# Altium PCB 3-as-manufactured.pcbdoc (part 12 of 12)
Units mil, origin at the board's own origin, x right, y up, seen from the top; angles counter-clockwise.
Board outline 2728 x 2217 mil, 8 copper layers (L1_TOP, L2_GND, L3_INNER1, L4_GND, L5_PWR, L6_INNER2, L7_GND, L8_BOT), stack 48.618 mil thick; 227 components, 321 nets, 1592 pads, 1187 vias.
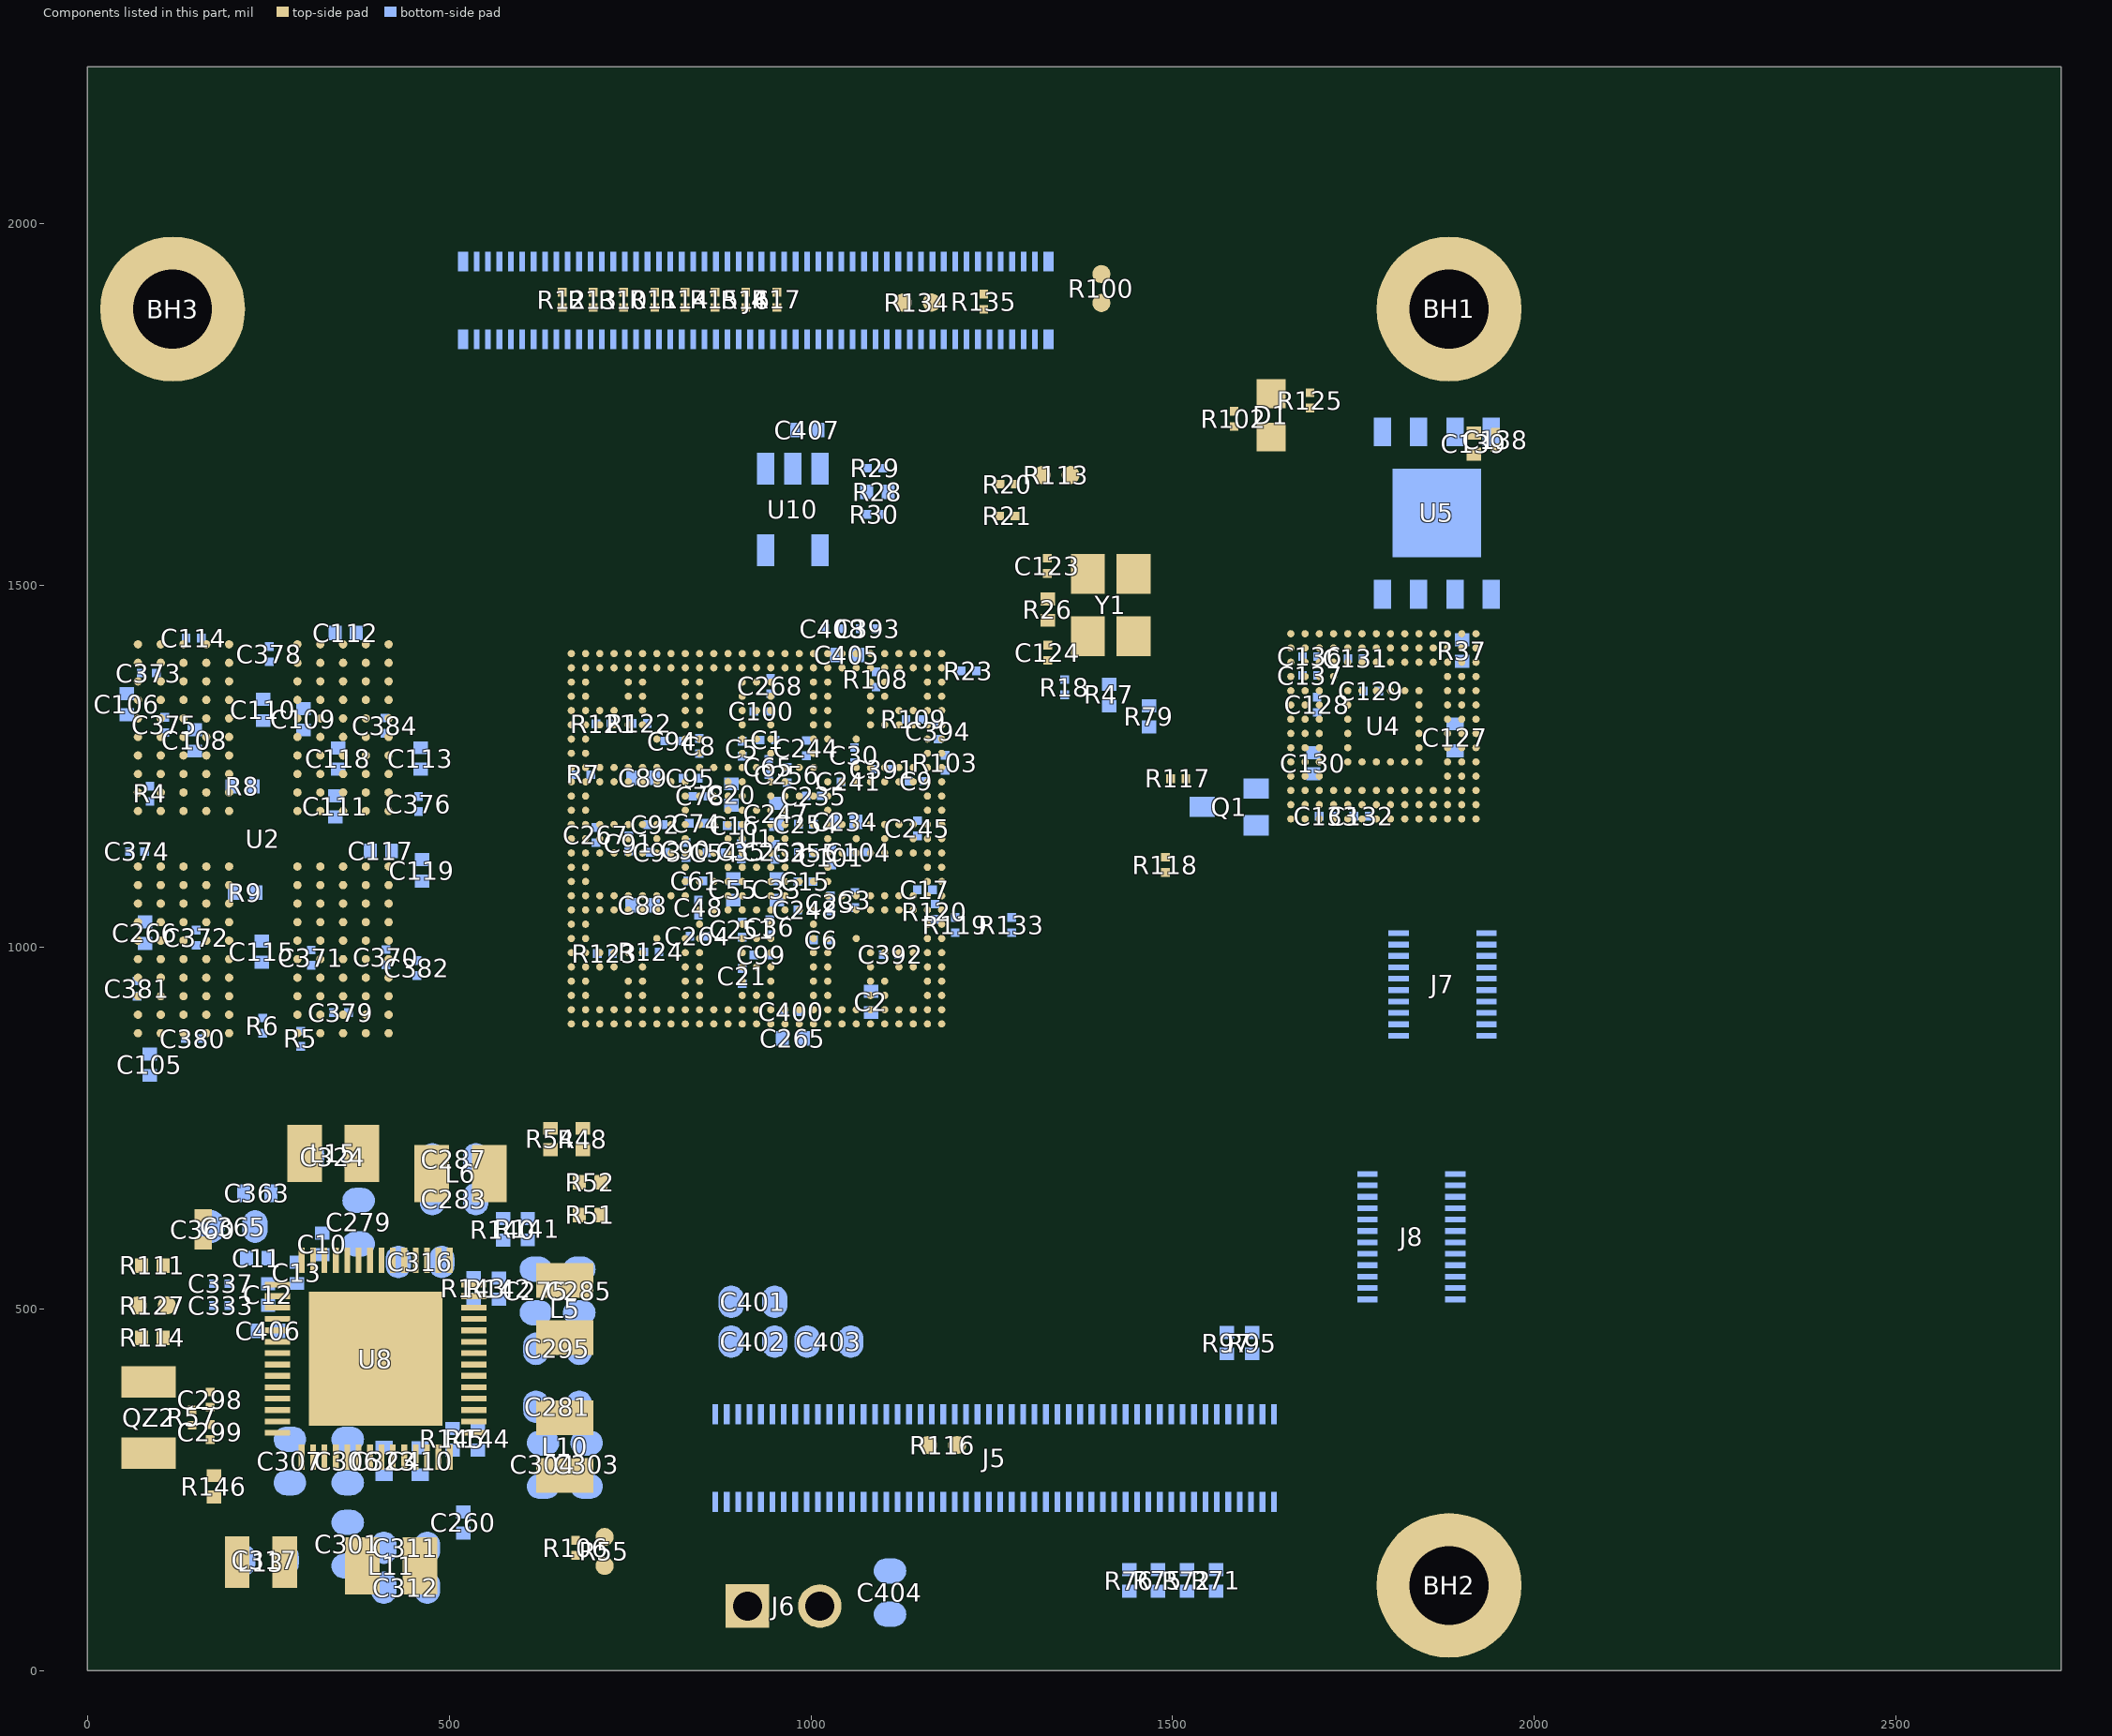
[diagram p18: the components of this part, seen from the top]

## Silkscreen, mask and mechanical layers (free items; w line width, h text height) (continued)
Fab Notes:
  drawing of 257 lines, arcs and shapes, not listed
  text "1. THIS DRAWING SPECIFIES THE REQUIREMENTS FOR A" at -10326.01,11281.66 h94
  text "PRINTED WIRING BOARD IN ACCORDANCE" at -6702,11278 h94
  text "WITH SPECIFICATION IPC-A-600 CLASS 2 (LATEST REVISION)." at -10316.01,11081.66 h94
  text "2. THE PWB MUST BE LEAD FREE ASSEMBLY PROCESS COMPATIBLE AND MUST BE ABLE TO HANDLE" at -10326.01,10681.66 h94
  text "A MINIMUM OF 5 CYCLES AT 260 DEGREES CELSIUS FOR 10 SECONDS." at -10226.01,10481.66 h94
  text "3. BASE MATERIAL - LAMINATE AND PREPREG SHALL MEET IPC-4101B-26, 83 or 98" at -10326.01,10081.66 h94
  text "Tg - MUST BE GREATER THAN OR EQUAL TO 150 DEGREES CELSIUS." at -8481.01,9881.66 h94
  text "Td - MUST BE GREATER THAN OR EQUAL TO 330 DEGREES CELSIUS." at -8481.01,9681.66 h94
  text "4. COPPER FOIL WEIGHT - SEE STACKUP DETAIL 'A'" at -10326.01,9281.66 h94
  text "5. CHARACTERISTIC IMPEDANCE - SEE DETAIL 'B'" at -10326.01,8881.66 h94
  text "8" at 11442.5,8484.67 h94
  text "6. MINIMUM CONDUCTIVE WIDTH/SPACING TO BE .002\"/.002\"" at -10326.01,8481.66 h94
  text "7. PLATING FINISH - BOTH SIDES ENIG (ELECTROLESS NICKEL IMMERSION GOLD):" at -10326.01,8081.66 h94
  text ".05080-.232 MICRON (2-8 MICROINCH) OF GOLD OVER" at -8506.01,7881.66 h94
  text "2.540-6.350 MICRON (100-250 MICROINCH) OF NICKEL." at -8761.01,7681.66 h94
  text "8. ALL THROUGH HOLE VIAS MAY BE PLATED SHUT." at -10326.01,7281.66 h94
  text "9. SOLDERMASK - LIGHT GREEN COLOR (TAIYO OR EQUIVALENT), BOTH SIDES." at -10326.01,6881.66 h94
  text "10. SILKSCREEN - WHITE EPOXY INK, BOTH SIDES.  NO SILK ON PADS." at -10320,6520 h94
  text "11. ELECTRICAL TEST - 100% FABRICATOR TO PERFORM A NET COMPARE AGAINST ODB++ NETLIST" at -10330,6169 h94
  text "12. PRINTED WIRING BOARD IS TO BE INDIVIDUALLY BAGGED." at -10338,5811 h94
  text "13. DRC'S MUST BE RUN ON THE GERBER/ODB++ BEFORE BUILDING BOARDS," at -10338,5460 h94
  text "14. TEARDROPS MAYBE ADDED AT THE FAB HOUSE TO ALL SIGNAL LAYERS." at -10345,5119 h94
  text "15. 2 SOLDER SAMPLES TO BE PROVIDED." at -10347,4785 h94
  text "16. BASIC GRID INCREMENT AT 1:1 IS .0001." at -10352.01,4389.66 h94
  text "17. SUPPLIER MARKINGS - ON SOLDER SIDE ONLY, WHERE SHOWN." at -10352.01,3989.66 h94
  text "18. THE PWB WILL BE MARKED AS LEAD FREE BY USE OF AN INK STAMP  Pb" at -10371.01,3650.66 h94
  text "19. THE PWB WILL BE MARKED AS LEAD FREE PROCESS COMPATIBLE BY USE OF AN INK STAMP  260 C" at -10372.01,3307.66 h94
  text "20. ALL PLATED AND NON-PLATED THROUGH HOLES ARE TO BE DRILLED AT PRIMARY DRILL STEP." at -10377,2997 h94
  text "ALL HOLE LOCATION TOLERANCES ARE TO BE +/-.002 IN REFERENCE TO THE PRIMARY DATUM." at -10107,2772 h94
  text "21. FINISHED PCB MAY BE PANELIZED FOR ASSEMBLY ACCORDING TO CONTRACT MANUFACTURERS REQUIREMENTS." at -10375.37,2373.79 h94
  text "THE ADDITION OF RAILS AND .125' NON-PLATED TOOLING HOLES ARE AT THE DISCRETION OF" at -10005.37,2173.79 h94
  text "CONTRACT MANUFACTURER.PANELIZATION MUST BE APPROVED BY CONTRACT MANUFACTURER." at -10005.37,1973.79 h94
  text "22. THIS BOARD USES VIA-IN-PAD:" at -10383.37,1622.79 h94
  text "A. VIA HOLES LESS THAN OR EQUAL TO 8MIL TO BE FILLED WITH NON-CONDUCTIVE VIA FILL:" at -9733.37,1422.79 h94
  text "SAN-EI PHP-900 OR EQUILVALENT EPOXY MADE PLANAR TO PADS." at -9363.37,1222.79 h94
  text "B. OVERPLATE THE FILLED VIA AND APPLY FINISH METAL TREATMENT." at -9733.37,1022.79 h94
  text "16" at -1345,-426 h94
  text "DETAIL B: IMPEDANCE REQUIREMENTS" at 37,-2155 h200
  text "DETAIL A: LAYERS STACKUP" at -10057,-2165 h200
  text "B" at -10042.61,-2428.64 h135.48
  text "o" at -9957.96,-2428.64 h135.48
  text "a" at -9873.32,-2428.64 h135.48
  text "r" at -9788.67,-2428.64 h135.48
  text "d" at -9704.02,-2428.64 h135.48
  text "L" at -9534.73,-2428.64 h135.48
  text "a" at -9450.09,-2428.64 h135.48
  text "y" at -9365.44,-2428.64 h135.48
  text "e" at -9280.8,-2428.64 h135.48
  text "r" at -9196.15,-2428.64 h135.48
  text "S" at -9026.86,-2428.64 h135.48
  text "t" at -8942.21,-2428.64 h135.48
  text "a" at -8857.57,-2428.64 h135.48
  text "c" at -8772.92,-2428.64 h135.48
  text "k" at -8688.28,-2428.64 h135.48
  text "(" at -8518.98,-2428.64 h135.48
  text "T" at -8434.34,-2428.64 h135.48
  text "h" at -8349.69,-2428.64 h135.48
  text "i" at -8265.05,-2428.64 h135.48
  text "c" at -8180.4,-2428.64 h135.48
  text "k" at -8095.76,-2428.64 h135.48
  text "n" at -8011.11,-2428.64 h135.48
  text "e" at -7926.46,-2428.64 h135.48
  text "s" at -7841.82,-2428.64 h135.48
  text "s" at -7757.17,-2428.64 h135.48
  text "a" at -7587.88,-2428.64 h135.48
  text "n" at -7503.24,-2428.64 h135.48
  text "d" at -7418.59,-2428.64 h135.48
  text "w" at -7249.3,-2428.64 h135.48
  text "i" at -7164.65,-2428.64 h135.48
  text "d" at -7080.01,-2428.64 h135.48
  text "t" at -6995.36,-2428.64 h135.48
  text "h" at -6910.72,-2428.64 h135.48
  text "i" at -6741.43,-2428.64 h135.48
  text "n" at -6656.78,-2428.64 h135.48
  text "m" at -6487.49,-2428.64 h135.48
  text "i" at -6402.84,-2428.64 h135.48
  text "l" at -6318.2,-2428.64 h135.48
  text "s" at -6233.55,-2428.64 h135.48
  text ")" at -6148.91,-2428.64 h135.48
  text "I" at 38.69,-2428.64 h135.48
  text "m" at 123.34,-2428.64 h135.48
  text "p" at 207.98,-2428.64 h135.48
  text "e" at 292.63,-2428.64 h135.48
  text "d" at 377.28,-2428.64 h135.48
  text "a" at 461.92,-2428.64 h135.48
  text "n" at 546.57,-2428.64 h135.48
  text "c" at 631.21,-2428.64 h135.48
  text "e" at 715.86,-2428.64 h135.48
  text "C" at 885.15,-2428.64 h135.48
  text "o" at 969.8,-2428.64 h135.48
  text "n" at 1054.44,-2428.64 h135.48
  text "t" at 1139.09,-2428.64 h135.48
  text "r" at 1223.73,-2428.64 h135.48
  text "o" at 1308.38,-2428.64 h135.48
  text "l" at 1393.02,-2428.64 h135.48
  text "l" at 1477.67,-2428.64 h135.48
  text "e" at 1562.32,-2428.64 h135.48
  text "d" at 1646.96,-2428.64 h135.48
  text "T" at 1816.25,-2428.64 h135.48
  text "r" at 1900.9,-2428.64 h135.48
  text "a" at 1985.54,-2428.64 h135.48
  text "c" at 2070.19,-2428.64 h135.48
  text "e" at 2154.83,-2428.64 h135.48
  text "w" at 2324.13,-2428.64 h135.48
  text "i" at 2408.77,-2428.64 h135.48
  text "d" at 2493.42,-2428.64 h135.48
  text "t" at 2578.06,-2428.64 h135.48
  text "h" at 2662.71,-2428.64 h135.48
  text "s" at 2747.35,-2428.64 h135.48
  text "T" at 2916.65,-2428.64 h135.48
  text "a" at 3001.29,-2428.64 h135.48
  text "b" at 3085.94,-2428.64 h135.48
  text "l" at 3170.58,-2428.64 h135.48
  text "e" at 3255.23,-2428.64 h135.48
  text "N" at -9949.5,-2602.16 h135.48
  text "u" at -9864.85,-2602.16 h135.48
  text "m" at -9780.2,-2602.16 h135.48
  text "b" at -9695.56,-2602.16 h135.48
  text "e" at -9610.91,-2602.16 h135.48
  text "r" at -9526.27,-2602.16 h135.48
  text "N" at -8870.26,-2602.16 h135.48
  text "a" at -8785.62,-2602.16 h135.48
  text "m" at -8700.97,-2602.16 h135.48
  text "e" at -8616.33,-2602.16 h135.48
  text "T" at -7528.63,-2602.16 h135.48
  text "y" at -7443.98,-2602.16 h135.48
  text "p" at -7359.34,-2602.16 h135.48
  text "e" at -7274.69,-2602.16 h135.48
  text "M" at -6364.75,-2602.16 h135.48
  text "a" at -6280.11,-2602.16 h135.48
  text "n" at -6195.46,-2602.16 h135.48
  text "u" at -6110.82,-2602.16 h135.48
  text "f" at -6026.17,-2602.16 h135.48
  text "a" at -5941.52,-2602.16 h135.48
  text "c" at -5856.88,-2602.16 h135.48
  text "t" at -5772.23,-2602.16 h135.48
  text "u" at -5687.59,-2602.16 h135.48
  text "r" at -5602.94,-2602.16 h135.48
  text "e" at -5518.3,-2602.16 h135.48
  text "r" at -5433.65,-2602.16 h135.48
  text "M" at -4468.69,-2602.16 h135.48
  text "a" at -4384.04,-2602.16 h135.48
  text "t" at -4299.4,-2602.16 h135.48
  text "e" at -4214.75,-2602.16 h135.48
  text "r" at -4130.11,-2602.16 h135.48
  text "i" at -4045.46,-2602.16 h135.48
  text "a" at -3960.81,-2602.16 h135.48
  text "l" at -3876.17,-2602.16 h135.48
  text "T" at -3224.4,-2602.16 h135.48
  text "h" at -3139.75,-2602.16 h135.48
  text "i" at -3055.11,-2602.16 h135.48
  text "c" at -2970.46,-2602.16 h135.48
  text "k" at -2885.82,-2602.16 h135.48
  text "n" at -2801.17,-2602.16 h135.48
  text "e" at -2716.52,-2602.16 h135.48
  text "s" at -2631.88,-2602.16 h135.48
  text "s" at -2547.23,-2602.16 h135.48
  text "(" at -2377.94,-2602.16 h135.48
  text "m" at -2293.3,-2602.16 h135.48
  text "i" at -2208.65,-2602.16 h135.48
  text "l" at -2124,-2602.16 h135.48
  text ")" at -2039.36,-2602.16 h135.48
  text "W" at -1827.74,-2602.16 h135.48
  text "e" at -1743.1,-2602.16 h135.48
  text "i" at -1658.45,-2602.16 h135.48
  text "g" at -1573.81,-2602.16 h135.48
  text "h" at -1489.16,-2602.16 h135.48
  text "t" at -1404.52,-2602.16 h135.48
  text "(" at -1235.22,-2602.16 h135.48
  text "o" at -1150.58,-2602.16 h135.48
  text "z" at -1065.93,-2602.16 h135.48
  text ")" at -981.29,-2602.16 h135.48
  text "D" at -693.49,-2602.16 h135.48
  text "k" at -608.85,-2602.16 h135.48
  text "D" at -278.73,-2602.16 h135.48
  text "f" at -194.08,-2602.16 h135.48
  text "5" at 246.07,-2602.16 h135.48
  text "0" at 330.72,-2602.16 h135.48
  text "Ω" at 415.37,-2602.16 h135.48
  text "S" at 584.66,-2602.16 h135.48
  text "E" at 669.3,-2602.16 h135.48
  text "(" at 838.59,-2602.16 h135.48
  text "±" at 923.24,-2602.16 h135.48
  text "2" at 1007.89,-2602.16 h135.48
  text "0" at 1092.53,-2602.16 h135.48
  text "%" at 1177.18,-2602.16 h135.48
  text ")" at 1261.82,-2602.16 h135.48
  text "8" at 1735.84,-2602.16 h135.48
  text "5" at 1820.48,-2602.16 h135.48
  text "Ω" at 1905.13,-2602.16 h135.48
  text "D" at 2074.42,-2602.16 h135.48
  text "i" at 2159.07,-2602.16 h135.48
  text "f" at 2243.71,-2602.16 h135.48
  text "f" at 2328.36,-2602.16 h135.48
  text "(" at 2497.65,-2602.16 h135.48
  text "1" at 2582.3,-2602.16 h135.48
  text "0" at 2666.94,-2602.16 h135.48
  text "%" at 2751.59,-2602.16 h135.48
  text ")" at 2836.23,-2602.16 h135.48
  text "9" at 3242.53,-2602.16 h135.48
  text "0" at 3327.18,-2602.16 h135.48
  text "Ω" at 3411.82,-2602.16 h135.48
  text "D" at 3581.11,-2602.16 h135.48
  text "i" at 3665.76,-2602.16 h135.48
  text "f" at 3750.41,-2602.16 h135.48
  text "f" at 3835.05,-2602.16 h135.48
  text "(" at 4004.34,-2602.16 h135.48
  text "1" at 4088.99,-2602.16 h135.48
  text "0" at 4173.63,-2602.16 h135.48
  text "%" at 4258.28,-2602.16 h135.48
  text ")" at 4342.93,-2602.16 h135.48
  text "9" at 4749.22,-2602.16 h135.48
  text "0" at 4833.87,-2602.16 h135.48
  text "Ω" at 4918.52,-2602.16 h135.48
  text "D" at 5087.81,-2602.16 h135.48
  text "i" at 5172.45,-2602.16 h135.48
  text "f" at 5257.1,-2602.16 h135.48
  text "f" at 5341.74,-2602.16 h135.48
  text "(" at 5511.04,-2602.16 h135.48
  text "1" at 5595.68,-2602.16 h135.48
  text "5" at 5680.33,-2602.16 h135.48
  text "%" at 5764.97,-2602.16 h135.48
  text ")" at 5849.62,-2602.16 h135.48
  text "1" at 6213.59,-2602.16 h135.48
  text "0" at 6298.24,-2602.16 h135.48
  text "0" at 6382.89,-2602.16 h135.48
  text "Ω" at 6467.53,-2602.16 h135.48
  text "D" at 6636.82,-2602.16 h135.48
  text "i" at 6721.47,-2602.16 h135.48
  text "f" at 6806.11,-2602.16 h135.48
  text "f" at 6890.76,-2602.16 h135.48
  text "(" at 7060.05,-2602.16 h135.48
  text "1" at 7144.7,-2602.16 h135.48
  text "0" at 7229.34,-2602.16 h135.48
  text "%" at 7313.99,-2602.16 h135.48
  text ")" at 7398.63,-2602.16 h135.48
  text "T" at -9166.52,-2775.68 h135.48
  text "o" at -9081.88,-2775.68 h135.48
  text "p" at -8997.23,-2775.68 h135.48
  text "O" at -8827.94,-2775.68 h135.48
  text "v" at -8743.3,-2775.68 h135.48
  text "e" at -8658.65,-2775.68 h135.48
  text "r" at -8574,-2775.68 h135.48
  text "l" at -8489.36,-2775.68 h135.48
  text "a" at -8404.71,-2775.68 h135.48
  text "y" at -8320.07,-2775.68 h135.48
  text "O" at -7655.6,-2775.68 h135.48
  text "v" at -7570.95,-2775.68 h135.48
  text "e" at -7486.31,-2775.68 h135.48
  text "r" at -7401.66,-2775.68 h135.48
  text "l" at -7317.02,-2775.68 h135.48
  text "a" at -7232.37,-2775.68 h135.48
  text "y" at -7147.72,-2775.68 h135.48
  text "W" at -4595.66,-2775.68 h135.48
  text "h" at -4511.01,-2775.68 h135.48
  text "i" at -4426.37,-2775.68 h135.48
  text "t" at -4341.72,-2775.68 h135.48
  text "e" at -4257.07,-2775.68 h135.48
  text "E" at -4087.78,-2775.68 h135.48
  text "p" at -4003.14,-2775.68 h135.48
  text "o" at -3918.49,-2775.68 h135.48
  text "x" at -3833.85,-2775.68 h135.48
  text "y" at -3749.2,-2775.68 h135.48
  text "W" at 584.66,-2775.68 h135.48
  text "i" at 669.3,-2775.68 h135.48
  text "d" at 753.95,-2775.68 h135.48
  text "t" at 838.59,-2775.68 h135.48
  text "h" at 923.24,-2775.68 h135.48
  text "W" at 1740.07,-2775.68 h135.48
  text "i" at 1824.72,-2775.68 h135.48
  text "d" at 1909.36,-2775.68 h135.48
  text "t" at 1994.01,-2775.68 h135.48
  text "h" at 2078.65,-2775.68 h135.48
  text "G" at 2578.06,-2775.68 h135.48
  text "a" at 2662.71,-2775.68 h135.48
  text "p" at 2747.35,-2775.68 h135.48
  text "W" at 3246.76,-2775.68 h135.48
  text "i" at 3331.41,-2775.68 h135.48
  text "d" at 3416.06,-2775.68 h135.48
  text "t" at 3500.7,-2775.68 h135.48
  text "h" at 3585.35,-2775.68 h135.48
  text "G" at 4084.76,-2775.68 h135.48
  text "a" at 4169.4,-2775.68 h135.48
  text "p" at 4254.05,-2775.68 h135.48
  text "W" at 4753.46,-2775.68 h135.48
  text "i" at 4838.1,-2775.68 h135.48
  text "d" at 4922.75,-2775.68 h135.48
  text "t" at 5007.39,-2775.68 h135.48
  text "h" at 5092.04,-2775.68 h135.48
  text "G" at 5591.45,-2775.68 h135.48
  text "a" at 5676.09,-2775.68 h135.48
  text "p" at 5760.74,-2775.68 h135.48
  text "W" at 6260.15,-2775.68 h135.48
  text "i" at 6344.8,-2775.68 h135.48
  text "d" at 6429.44,-2775.68 h135.48
  text "t" at 6514.09,-2775.68 h135.48
  text "h" at 6598.73,-2775.68 h135.48
  text "G" at 7098.14,-2775.68 h135.48
  text "a" at 7182.79,-2775.68 h135.48
  text "p" at 7267.43,-2775.68 h135.48
  text "T" at -9124.2,-2949.21 h135.48
  text "o" at -9039.56,-2949.21 h135.48
  text "p" at -8954.91,-2949.21 h135.48
  text "S" at -8785.62,-2949.21 h135.48
  text "o" at -8700.97,-2949.21 h135.48
  text "l" at -8616.33,-2949.21 h135.48
  text "d" at -8531.68,-2949.21 h135.48
  text "e" at -8447.04,-2949.21 h135.48
  text "r" at -8362.39,-2949.21 h135.48
  text "S" at -7824.89,-2949.21 h135.48
  text "o" at -7740.24,-2949.21 h135.48
  text "l" at -7655.6,-2949.21 h135.48
  text "d" at -7570.95,-2949.21 h135.48
  text "e" at -7486.31,-2949.21 h135.48
  text "r" at -7401.66,-2949.21 h135.48
  text "M" at -7232.37,-2949.21 h135.48
  text "a" at -7147.72,-2949.21 h135.48
  text "s" at -7063.08,-2949.21 h135.48
  text "k" at -6978.43,-2949.21 h135.48
  text "T" at -6364.75,-2949.21 h135.48
  text "a" at -6280.11,-2949.21 h135.48
  text "i" at -6195.46,-2949.21 h135.48
  text "y" at -6110.82,-2949.21 h135.48
  text "o" at -6026.17,-2949.21 h135.48
  text "o" at -5856.88,-2949.21 h135.48
  text "r" at -5772.23,-2949.21 h135.48
  text "E" at -5602.94,-2949.21 h135.48
  text "q" at -5518.3,-2949.21 h135.48
  text "." at -5433.65,-2949.21 h135.48
  text "S" at -4595.66,-2949.21 h135.48
  text "o" at -4511.01,-2949.21 h135.48
  text "l" at -4426.37,-2949.21 h135.48
  text "d" at -4341.72,-2949.21 h135.48
  text "e" at -4257.07,-2949.21 h135.48
  text "r" at -4172.43,-2949.21 h135.48
  text "M" at -4003.14,-2949.21 h135.48
  text "a" at -3918.49,-2949.21 h135.48
  text "s" at -3833.85,-2949.21 h135.48
  text "k" at -3749.2,-2949.21 h135.48
  text "0" at -2716.52,-2949.21 h135.48
  text "." at -2631.88,-2949.21 h135.48
  text "6" at -2547.23,-2949.21 h135.48
  text "4" at -735.82,-2949.21 h135.48
  text "." at -651.17,-2949.21 h135.48
  text "2" at -566.52,-2949.21 h135.48
  text "0" at -236.41,-2949.21 h135.48
  text "1" at -9526.27,-3122.73 h135.48
  text "L" at -8954.91,-3122.73 h135.48
  text "1" at -8870.26,-3122.73 h135.48
  text "_" at -8785.62,-3122.73 h135.48
  text "T" at -8700.97,-3122.73 h135.48
  text "O" at -8616.33,-3122.73 h135.48
  text "P" at -8531.68,-3122.73 h135.48
  text "S" at -7613.28,-3122.73 h135.48
  text "i" at -7528.63,-3122.73 h135.48
  text "g" at -7443.98,-3122.73 h135.48
  text "n" at -7359.34,-3122.73 h135.48
  text "a" at -7274.69,-3122.73 h135.48
  text "l" at -7190.05,-3122.73 h135.48
  text "0" at -2801.17,-3122.73 h135.48
  text "." at -2716.52,-3122.73 h135.48
  text "6" at -2631.88,-3122.73 h135.48
  text "8" at -2547.23,-3122.73 h135.48
  text "9" at -2462.59,-3122.73 h135.48
  text "0" at -1489.16,-3122.73 h135.48
  text "." at -1404.52,-3122.73 h135.48
  text "5" at -1319.87,-3122.73 h135.48
  text "2" at 669.3,-3122.73 h135.48
  text "." at 753.95,-3122.73 h135.48
  text "2" at 838.59,-3122.73 h135.48
  text "2" at 1824.72,-3122.73 h135.48
  text "." at 1909.36,-3122.73 h135.48
  text "5" at 1994.01,-3122.73 h135.48
  text "2" at 2662.71,-3122.73 h135.48
  text "2" at 3331.41,-3122.73 h135.48
  text "." at 3416.06,-3122.73 h135.48
  text "5" at 3500.7,-3122.73 h135.48
  text "2" at 4084.76,-3122.73 h135.48
  text "." at 4169.4,-3122.73 h135.48
  text "5" at 4254.05,-3122.73 h135.48
  text "2" at 4838.1,-3122.73 h135.48
  text "." at 4922.75,-3122.73 h135.48
  text "3" at 5007.39,-3122.73 h135.48
  text "2" at 5591.45,-3122.73 h135.48
  text "." at 5676.09,-3122.73 h135.48
  text "5" at 5760.74,-3122.73 h135.48
  text "2" at 6344.8,-3122.73 h135.48
  text "." at 6429.44,-3122.73 h135.48
  text "1" at 6514.09,-3122.73 h135.48
  text "3" at 7182.79,-3122.73 h135.48
  text "D" at -9208.85,-3296.26 h135.48
  text "i" at -9124.2,-3296.26 h135.48
  text "e" at -9039.56,-3296.26 h135.48
  text "l" at -8954.91,-3296.26 h135.48
  text "e" at -8870.26,-3296.26 h135.48
  text "c" at -8785.62,-3296.26 h135.48
  text "t" at -8700.97,-3296.26 h135.48
  text "r" at -8616.33,-3296.26 h135.48
  text "i" at -8531.68,-3296.26 h135.48
  text "c" at -8447.04,-3296.26 h135.48
  text "1" at -8277.74,-3296.26 h135.48
  text "P" at -7655.6,-3296.26 h135.48
  text "r" at -7570.95,-3296.26 h135.48
  text "e" at -7486.31,-3296.26 h135.48
  text "p" at -7401.66,-3296.26 h135.48
  text "r" at -7317.02,-3296.26 h135.48
  text "e" at -7232.37,-3296.26 h135.48
  text "g" at -7147.72,-3296.26 h135.48
  text "V" at -6110.82,-3296.26 h135.48
  text "e" at -6026.17,-3296.26 h135.48
  text "n" at -5941.52,-3296.26 h135.48
  text "t" at -5856.88,-3296.26 h135.48
  text "e" at -5772.23,-3296.26 h135.48
  text "c" at -5687.59,-3296.26 h135.48
  text "V" at -4637.98,-3296.26 h135.48
  text "T" at -4553.33,-3296.26 h135.48
  text "4" at -4468.69,-3296.26 h135.48
  text "7" at -4384.04,-3296.26 h135.48
  text "_" at -4299.4,-3296.26 h135.48
  text "1" at -4214.75,-3296.26 h135.48
  text "." at -4130.11,-3296.26 h135.48
  text "9" at -4045.46,-3296.26 h135.48
  text "_" at -3960.81,-3296.26 h135.48
  text "1" at -3876.17,-3296.26 h135.48
  text "0" at -3791.52,-3296.26 h135.48
  text "6" at -3706.88,-3296.26 h135.48
  text "1" at -2758.85,-3296.26 h135.48
  text "." at -2674.2,-3296.26 h135.48
  text "7" at -2589.56,-3296.26 h135.48
  text "6" at -2504.91,-3296.26 h135.48
  text "3" at -735.82,-3296.26 h135.48
  text "." at -651.17,-3296.26 h135.48
  text "5" at -566.52,-3296.26 h135.48
  text "0" at -363.37,-3296.26 h135.48
  text "." at -278.73,-3296.26 h135.48
  text "0" at -194.08,-3296.26 h135.48
  text "2" at -109.44,-3296.26 h135.48
  text "2" at -9526.27,-3469.78 h135.48
  text "L" at -8954.91,-3469.78 h135.48
  text "2" at -8870.26,-3469.78 h135.48
  text "_" at -8785.62,-3469.78 h135.48
  text "G" at -8700.97,-3469.78 h135.48
  text "N" at -8616.33,-3469.78 h135.48

## Text inside footprints (layer, text, board x,y; h text height)
U1: Top Overlay "27" at 1176.86,1437.3 h20; Top Overlay "1" at 646.97,1432.53 h20; Top Overlay "AG" at 594.18,882.18 h20; Top Overlay "A" at 621.74,1401.87 h20; Top Assembly "AG" at 625.68,890.06 h9.84; Top Assembly "AF" at 625.68,909.74 h9.84; Top Assembly "AE" at 625.68,929.43 h9.84; Top Assembly "AD" at 625.68,949.11 h9.84; Top Assembly "AC" at 625.68,968.8 h9.84; Top Assembly "AB" at 625.68,988.48 h9.84; Top Assembly "AA" at 625.68,1008.17 h9.84; Top Assembly "Y" at 625.68,1027.85 h9.84; Top Assembly "W" at 625.68,1047.54 h9.84; Top Assembly "V" at 625.68,1067.22 h9.84; Top Assembly "U" at 625.68,1086.91 h9.84; Top Assembly "T" at 625.68,1106.59 h9.84; Top Assembly "R" at 625.68,1126.28 h9.84; Top Assembly "P" at 625.68,1145.96 h9.84; Top Assembly "N" at 625.68,1165.65 h9.84; Top Assembly "M" at 625.68,1185.33 h9.84; Top Assembly "L" at 625.68,1205.02 h9.84; Top Assembly "K" at 625.68,1224.7 h9.84; Top Assembly "J" at 625.68,1244.39 h9.84; Top Assembly "H" at 625.68,1264.07 h9.84; Top Assembly "G" at 625.68,1283.76 h9.84; Top Assembly "F" at 625.68,1303.44 h9.84; Top Assembly "E" at 625.68,1323.13 h9.84; Top Assembly "D" at 625.68,1342.81 h9.84; Top Assembly "C" at 625.68,1362.5 h9.84; Top Assembly "B" at 625.68,1382.18 h9.84; Top Assembly "27" at 1179.3,1431.13 h9.84; Top Assembly "26" at 1159.61,1431.13 h9.84; Top Assembly "25" at 1139.93,1431.13 h9.84; Top Assembly "24" at 1120.24,1431.13 h9.84; Top Assembly "23" at 1100.56,1431.13 h9.84; Top Assembly "22" at 1080.87,1431.13 h9.84; Top Assembly "21" at 1061.19,1431.13 h9.84; Top Assembly "20" at 1041.5,1431.13 h9.84; Top Assembly "19" at 1021.82,1431.13 h9.84; Top Assembly "18" at 1002.13,1431.13 h9.84; Top Assembly "17" at 982.45,1431.13 h9.84; Top Assembly "16" at 962.76,1431.13 h9.84; Top Assembly "15" at 943.08,1431.13 h9.84; Top Assembly "14" at 923.39,1431.13 h9.84; Top Assembly "13" at 899.77,1431.13 h9.84; Top Assembly "12" at 884.02,1431.13 h9.84; Top Assembly "11" at 864.34,1431.13 h9.84; Top Assembly "10" at 844.65,1431.13 h9.84; Top Assembly "9" at 821.03,1435.06 h9.84; Top Assembly "8" at 801.35,1435.06 h9.84; Top Assembly "7" at 781.66,1435.06 h9.84; Top Assembly "6" at 761.98,1435.06 h9.84; Top Assembly "5" at 742.29,1435.06 h9.84; Top Assembly "4" at 722.61,1435.06 h9.84; Top Assembly "3" at 702.92,1435.06 h9.84; Top Assembly "2" at 683.24,1435.06 h9.84; Top Assembly "1" at 663.55,1435.06 h9.84; Top Assembly "A" at 625.68,1401.87 h9.84; Top Pin Number "F6" at 759.54,1307.38 h9.84; Top Pin Number "J5" at 739.86,1248.32 h9.84; Top Pin Number "K5" at 739.86,1228.64 h9.84; Top Pin Number "N6" at 759.54,1169.58 h9.84; Top Pin Number "M1" at 661.11,1189.27 h9.84; Top Pin Number "M2" at 680.8,1189.27 h9.84; Top Pin Number "N1" at 661.11,1169.58 h9.84; Top Pin Number "R6" at 759.54,1130.22 h9.84; Top Pin Number "T1" at 661.11,1110.53 h9.84; Top Pin Number "T2" at 680.8,1110.53 h9.84; Top Pin Number "V5" at 739.86,1071.16 h9.84; Top Pin Number "W5" at 739.86,1051.48 h9.84; Top Pin Number "AB6" at 755.6,992.42 h9.84; Top Pin Number "R2" at 680.8,1130.22 h9.84; Top Pin Number "A24" at 1109.93,1405.81 h9.84; Top Pin Number "T16" at 952.45,1110.53 h9.84; Top Pin Number "T12" at 873.71,1110.53 h9.84; Top Pin Number "M16" at 952.45,1189.27 h9.84; Top Pin Number "M12" at 873.71,1189.27 h9.84; Top Pin Number "AA19" at 1007.57,1012.1 h9.84; Top Pin Number "AA18" at 987.89,1012.1 h9.84; Top Pin Number "AA15" at 928.83,1012.1 h9.84; Top Pin Number "AA13" at 889.47,1012.1 h9.84; Top Pin Number "AA10" at 830.41,1012.1 h9.84; Top Pin Number "AA9" at 814.66,1012.1 h9.84; Top Pin Number "Y18" at 991.82,1031.79 h9.84; Top Pin Number "Y13" at 893.4,1031.79 h9.84; Top Pin Number "W21" at 1050.88,1051.48 h9.84; Top Pin Number "W7" at 779.22,1051.48 h9.84; Top Pin Number "V21" at 1050.88,1071.16 h9.84; Top Pin Number "V7" at 779.22,1071.16 h9.84; Top Pin Number "R21" at 1050.88,1130.22 h9.84; Top Pin Number "R20" at 1031.19,1130.22 h9.84; Top Pin Number "R7" at 779.22,1130.22 h9.84; Top Pin Number "P21" at 1050.88,1149.9 h9.84; Top Pin Number "N21" at 1050.88,1169.58 h9.84; Top Pin Number "N7" at 779.22,1169.58 h9.84; Top Pin Number "K21" at 1050.88,1228.64 h9.84; Top Pin Number "K20" at 1031.19,1228.64 h9.84; Top Pin Number "K7" at 779.22,1228.64 h9.84; Top Pin Number "J21" at 1050.88,1248.32 h9.84; Top Pin Number "H18" at 991.82,1268.01 h9.84; Top Pin Number "G19" at 1011.5,1287.7 h9.84; Top Pin Number "G18" at 991.82,1287.7 h9.84; Top Pin Number "G15" at 932.76,1287.7 h9.84; Top Pin Number "G13" at 893.4,1287.7 h9.84; Top Pin Number "G10" at 834.34,1287.7 h9.84; Top Pin Number "J7" at 779.22,1248.32 h9.84; Top Pin Number "AG27" at 1165.06,893.99 h9.84; Top Pin Number "AG1" at 657.17,893.99 h9.84; Top Pin Number "AF3" at 696.54,913.68 h9.84; Top Pin Number "AE23" at 1086.31,933.36 h9.84; Top Pin Number "AE22" at 1066.63,933.36 h9.84; Top Pin Number "AE19" at 1007.57,933.36 h9.84; Top Pin Number "AE18" at 987.89,933.36 h9.84; Top Pin Number "AE15" at 928.83,933.36 h9.84; Top Pin Number "AE14" at 909.15,933.36 h9.84; Top Pin Number "N15" at 932.76,1169.58 h9.84; Top Pin Number "N13" at 893.4,1169.58 h9.84; Top Pin Number "M15" at 932.76,1189.27 h9.84; Top Pin Number "L18" at 991.82,1208.96 h9.84; Top Pin Number "L17" at 972.14,1208.96 h9.84; Top Pin Number "L15" at 932.76,1208.96 h9.84; Top Pin Number "K15" at 932.76,1228.64 h9.84; Top Pin Number "J17" at 972.14,1248.32 h9.84; Top Pin Number "J16" at 952.45,1248.32 h9.84; Top Pin Number "J24" at 1109.93,1248.32 h9.84; Top Pin Number "F26" at 1149.3,1307.38 h9.84; Top Pin Number "F22" at 1070.56,1307.38 h9.84; Top Pin Number "F23" at 1090.24,1307.38 h9.84; Top Pin Number "F24" at 1109.93,1307.38 h9.84; Top Pin Number "J18" at 991.82,1248.32 h9.84; Top Pin Number "AA27" at 1165.06,1012.1 h9.84; Top Pin Number "J14" at 913.08,1248.32 h9.84; Top Pin Number "P26" at 1149.3,1149.9 h9.84; Top Pin Number "D26" at 1149.3,1346.75 h9.84; Top Pin Number "U27" at 1168.99,1090.84 h9.84; Top Pin Number "J11" at 854.02,1248.32 h9.84; Top Pin Number "AF13" at 889.47,913.68 h9.84; Top Pin Number "K22" at 1070.56,1228.64 h9.84; Top Pin Number "J15" at 932.76,1248.32 h9.84; Top Pin Number "AB18" at 987.89,992.42 h9.84; Top Pin Number "AG23" at 1086.31,893.99 h9.84; Top Pin Number "F19" at 1011.5,1307.38 h9.84; Top Pin Number "R22" at 1070.56,1130.22 h9.84; Top Pin Number "AB23" at 1086.31,992.42 h9.84; Top Pin Number "AB24" at 1106,992.42 h9.84; Top Pin Number "F15" at 932.76,1307.38 h9.84; Top Pin Number "D15" at 932.76,1346.75 h9.84; Top Pin Number "J22" at 1070.56,1248.32 h9.84; Top Pin Number "J27" at 1168.99,1248.32 h9.84; Top Pin Number "H27" at 1168.99,1268.01 h9.84; Top Pin Number "AG12" at 869.78,893.99 h9.84; Top Pin Number "AG13" at 889.47,893.99 h9.84; Top Pin Number "P12" at 873.71,1149.9 h9.84; Top Pin Number "U10" at 834.34,1090.84 h9.84; Top Pin Number "V12" at 873.71,1071.16 h9.84; Top Pin Number "M14" at 913.08,1189.27 h9.84; Top Pin Number "K12" at 873.71,1228.64 h9.84; Top Pin Number "W11" at 854.02,1051.48 h9.84; Top Pin Number "W10" at 834.34,1051.48 h9.84; Top Pin Number "U11" at 854.02,1090.84 h9.84; Top Pin Number "R11" at 854.02,1130.22 h9.84; Top Pin Number "R10" at 834.34,1130.22 h9.84; Top Pin Number "P9" at 818.6,1149.9 h9.84; Top Pin Number "N11" at 854.02,1169.58 h9.84; Top Pin Number "N10" at 834.34,1169.58 h9.84; Top Pin Number "M13" at 893.4,1189.27 h9.84; Top Pin Number "L13" at 893.4,1208.96 h9.84; Top Pin Number "L11" at 854.02,1208.96 h9.84; Top Pin Number "L10" at 834.34,1208.96 h9.84; Top Pin Number "K13" at 893.4,1228.64 h9.84; Top Pin Number "J10" at 834.34,1248.32 h9.84; Top Pin Number "N2" at 680.8,1169.58 h9.84; Top Pin Number "N27" at 1168.99,1169.58 h9.84; Top Pin Number "M27" at 1168.99,1189.27 h9.84; Top Pin Number "L27" at 1168.99,1208.96 h9.84; Top Pin Number "K27" at 1168.99,1228.64 h9.84; Top Pin Number "P27" at 1168.99,1149.9 h9.84; Top Pin Number "A16" at 952.45,1405.81 h9.84; Top Pin Number "B16" at 952.45,1386.12 h9.84; Top Pin Number "A14" at 913.08,1405.81 h9.84; Top Pin Number "B14" at 913.08,1386.12 h9.84; Top Pin Number "A15" at 932.76,1405.81 h9.84; Top Pin Number "B15" at 932.76,1386.12 h9.84; Top Pin Number "B17" at 972.14,1386.12 h9.84; Top Pin Number "A17" at 972.14,1405.81 h9.84; Top Pin Number "A18" at 991.82,1405.81 h9.84; Top Pin Number "B18" at 991.82,1386.12 h9.84; Top Pin Number "J23" at 1090.24,1248.32 h9.84; Top Pin Number "E18" at 991.82,1327.06 h9.84; Top Pin Number "D18" at 991.82,1346.75 h9.84; Top Pin Number "R24" at 1109.93,1130.22 h9.84; Top Pin Number "U17" at 972.14,1090.84 h9.84; Top Pin Number "P16" at 952.45,1149.9 h9.84; Top Pin Number "K16" at 952.45,1228.64 h9.84; Top Pin Number "U18" at 991.82,1090.84 h9.84; Top Pin Number "R18" at 991.82,1130.22 h9.84; Top Pin Number "R17" at 972.14,1130.22 h9.84; Top Pin Number "N18" at 991.82,1169.58 h9.84; Top Pin Number "N17" at 972.14,1169.58 h9.84; Top Pin Number "K8" at 798.91,1228.64 h9.84; Top Pin Number "V9" at 818.6,1071.16 h9.84; Top Pin Number "U9" at 818.6,1090.84 h9.84; Top Pin Number "T9" at 818.6,1110.53 h9.84; Top Pin Number "R9" at 818.6,1130.22 h9.84; Top Pin Number "N9" at 818.6,1169.58 h9.84; Top Pin Number "M9" at 818.6,1189.27 h9.84; Top Pin Number "L9" at 818.6,1208.96 h9.84; Top Pin Number "K9" at 818.6,1228.64 h9.84; Top Pin Number "F13" at 893.4,1307.38 h9.84; Top Pin Number "E15" at 932.76,1327.06 h9.84; Top Pin Number "F9" at 818.6,1307.38 h9.84; Top Pin Number "N22" at 1070.56,1169.58 h9.84; Top Pin Number "D10" at 834.34,1346.75 h9.84; Top Pin Number "N24" at 1109.93,1169.58 h9.84; Top Pin Number "E13" at 893.4,1327.06 h9.84; Top Pin Number "D13" at 893.4,1346.75 h9.84; Top Pin Number "B19" at 1011.5,1386.12 h9.84; Top Pin Number "N23" at 1090.24,1169.58 h9.84; Top Pin Number "AD22" at 1066.63,953.05 h9.84; Top Pin Number "P23" at 1090.24,1149.9 h9.84; Top Pin Number "AD23" at 1086.31,953.05 h9.84; Top Pin Number "K24" at 1109.93,1228.64 h9.84; Top Pin Number "K23" at 1090.24,1228.64 h9.84; Top Pin Number "AC15" at 928.83,972.74 h9.84; Top Pin Number "AC14" at 909.15,972.74 h9.84; Top Pin Number "K2" at 680.8,1228.64 h9.84; Top Pin Number "E2" at 680.8,1327.06 h9.84; Top Pin Number "W27" at 1168.99,1051.48 h9.84; Top Pin Number "AC13" at 889.47,972.74 h9.84; Top Pin Number "N4" at 720.17,1169.58 h9.84; Top Pin Number "AD13" at 889.47,953.05 h9.84; Top Pin Number "H1" at 661.11,1268.01 h9.84; Top Pin Number "AB15" at 928.83,992.42 h9.84; Top Pin Number "D5" at 739.86,1346.75 h9.84; Top Pin Number "AD15" at 928.83,953.05 h9.84; Top Pin Number "AC4" at 716.23,972.74 h9.84; Top Pin Number "AG6" at 755.6,893.99 h9.84; Top Pin Number "G1" at 661.11,1287.7 h9.84; Top Pin Number "AC1" at 657.17,972.74 h9.84; Top Pin Number "AB5" at 735.92,992.42 h9.84; Top Pin Number "G2" at 680.8,1287.7 h9.84; Top Pin Number "AG4" at 716.23,893.99 h9.84; Top Pin Number "K4" at 720.17,1228.64 h9.84; Top Pin Number "M26" at 1149.3,1189.27 h9.84; Top Pin Number "A6" at 759.54,1405.81 h9.84; Top Pin Number "V2" at 680.8,1071.16 h9.84; Top Pin Number "U2" at 680.8,1090.84 h9.84; Top Pin Number "N26" at 1149.3,1169.58 h9.84; Top Pin Number "AG2" at 676.86,893.99 h9.84; Top Pin Number "R4" at 720.17,1130.22 h9.84; Top Pin Number "U26" at 1149.3,1090.84 h9.84; Top Pin Number "AD5" at 735.92,953.05 h9.84; Top Pin Number "L2" at 680.8,1208.96 h9.84; Top Pin Number "V20" at 1031.19,1071.16 h9.84; Top Pin Number "AB13" at 889.47,992.42 h9.84; Top Pin Number "W12" at 873.71,1051.48 h9.84; Top Pin Number "V19" at 1011.5,1071.16 h9.84; Top Pin Number "U19" at 1011.5,1090.84 h9.84; Top Pin Number "T19" at 1011.5,1110.53 h9.84; Top Pin Number "M19" at 1011.5,1189.27 h9.84; Top Pin Number "L19" at 1011.5,1208.96 h9.84; Top Pin Number "J13" at 893.4,1248.32 h9.84; Top Pin Number "J12" at 873.71,1248.32 h9.84; Top Pin Number "AE26" at 1145.37,933.36 h9.84; Top Pin Number "AD27" at 1165.06,953.05 h9.84; Top Pin Number "AD26" at 1145.37,953.05 h9.84; Top Pin Number "AC26" at 1145.37,972.74 h9.84; Top Pin Number "AF24" at 1106,913.68 h9.84; Top Pin Number "L26" at 1149.3,1208.96 h9.84; Top Pin Number "K26" at 1149.3,1228.64 h9.84; Top Pin Number "A26" at 1149.3,1405.81 h9.84; Top Pin Number "B25" at 1129.62,1386.12 h9.84; Top Pin Number "B27" at 1168.99,1386.12 h9.84; Top Pin Number "C26" at 1149.3,1366.44 h9.84; Top Pin Number "D27" at 1168.99,1346.75 h9.84; Top Pin Number "F1" at 661.11,1307.38 h9.84; Top Pin Number "AB1" at 657.17,992.42 h9.84; Top Pin Number "AG14" at 909.15,893.99 h9.84; Top Pin Number "B10" at 834.34,1386.12 h9.84; Top Pin Number "B11" at 854.02,1386.12 h9.84; Top Pin Number "A9" at 818.6,1405.81 h9.84; Top Pin Number "B12" at 873.71,1386.12 h9.84; Top Pin Number "V22" at 1070.56,1071.16 h9.84; Top Pin Number "B13" at 893.4,1386.12 h9.84; Top Pin Number "B9" at 818.6,1386.12 h9.84; Top Pin Number "A11" at 854.02,1405.81 h9.84; Top Pin Number "A13" at 893.4,1405.81 h9.84; Top Pin Number "A10" at 834.34,1405.81 h9.84; Top Pin Number "A12" at 873.71,1405.81 h9.84; Top Pin Number "A19" at 1011.5,1405.81 h9.84; Top Pin Number "A21" at 1050.88,1405.81 h9.84; Top Pin Number "B22" at 1070.56,1386.12 h9.84; Top Pin Number "B21" at 1050.88,1386.12 h9.84; Top Pin Number "A22" at 1070.56,1405.81 h9.84; Top Pin Number "B20" at 1031.19,1386.12 h9.84; Top Pin Number "A20" at 1031.19,1405.81 h9.84; Top Pin Number "E19" at 1011.5,1327.06 h9.84; Top Pin Number "A23" at 1090.24,1405.81 h9.84; Top Pin Number "B23" at 1090.24,1386.12 h9.84; Top Pin Number "AF27" at 1165.06,913.68 h9.84; Top Pin Number "E22" at 1070.56,1327.06 h9.84; Top Pin Number "B24" at 1109.93,1386.12 h9.84; Top Pin Number "E24" at 1109.93,1327.06 h9.84; Top Pin Number "AB26" at 1145.37,992.42 h9.84; Top Pin Number "W23" at 1090.24,1051.48 h9.84; Top Pin Number "Y26" at 1149.3,1031.79 h9.84; Top Pin Number "AC27" at 1165.06,972.74 h9.84; Top Pin Number "W24" at 1109.93,1051.48 h9.84; Top Pin Number "V24" at 1109.93,1071.16 h9.84; Top Pin Number "Y27" at 1168.99,1031.79 h9.84; Top Pin Number "V23" at 1090.24,1071.16 h9.84; Top Pin Number "AA26" at 1145.37,1012.1 h9.84; Top Pin Number "V27" at 1168.99,1071.16 h9.84; Top Pin Number "V26" at 1149.3,1071.16 h9.84; Top Pin Number "E9" at 818.6,1327.06 h9.84; Top Pin Number "B7" at 779.22,1386.12 h9.84; Top Pin Number "E14" at 913.08,1327.06 h9.84; Top Pin Number "D6" at 759.54,1346.75 h9.84; Top Pin Number "Y10" at 834.34,1031.79 h9.84; Top Pin Number "H10" at 834.34,1268.01 h9.84; Top Pin Number "W18" at 991.82,1051.48 h9.84; Top Pin Number "W17" at 972.14,1051.48 h9.84; Top Pin Number "K19" at 1011.5,1228.64 h9.84; Top Pin Number "V8" at 798.91,1071.16 h9.84; Top Pin Number "R8" at 798.91,1130.22 h9.84; Top Pin Number "P7" at 779.22,1149.9 h9.84; Top Pin Number "N8" at 798.91,1169.58 h9.84; Top Pin Number "AD6" at 755.6,953.05 h9.84; Top Pin Number "AF21" at 1046.95,913.68 h9.84; Top Pin Number "AF14" at 909.15,913.68 h9.84; Top Pin Number "AE27" at 1165.06,933.36 h9.84; Top Pin Number "AC18" at 987.89,972.74 h9.84; Top Pin Number "AF12" at 869.78,913.68 h9.84; Top Pin Number "AG17" at 968.21,893.99 h9.84; Top Pin Number "AG19" at 1007.57,893.99 h9.84; Top Pin Number "C27" at 1168.99,1366.44 h9.84; Top Pin Number "AG15" at 928.83,893.99 h9.84; Top Pin Number "H26" at 1149.3,1268.01 h9.84; Top Pin Number "AC19" at 1007.57,972.74 h9.84; Top Pin Number "AG21" at 1046.95,893.99 h9.84; Top Pin Number "B6" at 759.54,1386.12 h9.84; Top Pin Number "J26" at 1149.3,1248.32 h9.84; Top Pin Number "A7" at 779.22,1405.81 h9.84; Top Pin Number "AF15" at 928.83,913.68 h9.84; Top Pin Number "AF23" at 1086.31,913.68 h9.84; Top Pin Number "AF17" at 968.21,913.68 h9.84; Top Pin Number "T14" at 913.08,1110.53 h9.84; Top Pin Number "W16" at 952.45,1051.48 h9.84; Top Pin Number "W15" at 932.76,1051.48 h9.84; Top Pin Number "W14" at 913.08,1051.48 h9.84; Top Pin Number "W13" at 893.4,1051.48 h9.84; Top Pin Number "V16" at 952.45,1071.16 h9.84; Top Pin Number "V15" at 932.76,1071.16 h9.84; Top Pin Number "V13" at 893.4,1071.16 h9.84; Top Pin Number "U15" at 932.76,1090.84 h9.84; Top Pin Number "U13" at 893.4,1090.84 h9.84; Top Pin Number "T15" at 932.76,1110.53 h9.84; Top Pin Number "T13" at 893.4,1110.53 h9.84; Top Pin Number "R15" at 932.76,1130.22 h9.84; Top Pin Number "R13" at 893.4,1130.22 h9.84; Top Pin Number "AF18" at 987.89,913.68 h9.84; Top Pin Number "G27" at 1168.99,1287.7 h9.84; Top Pin Number "AC22" at 1066.63,972.74 h9.84; Top Pin Number "AF16" at 948.52,913.68 h9.84; Top Pin Number "AF20" at 1027.26,913.68 h9.84; Top Pin Number "AG16" at 948.52,893.99 h9.84; Top Pin Number "AG18" at 987.89,893.99 h9.84; Top Pin Number "AG22" at 1066.63,893.99 h9.84; Top Pin Number "AB19" at 1007.57,992.42 h9.84; Top Pin Number "D19" at 1011.5,1346.75 h9.84; Top Pin Number "AA14" at 909.15,1012.1 h9.84; Top Pin Number "Y15" at 932.76,1031.79 h9.84; Top Pin Number "N20" at 1031.19,1169.58 h9.84; Top Pin Number "H15" at 932.76,1268.01 h9.84; Top Pin Number "H13" at 893.4,1268.01 h9.84; Top Pin Number "G14" at 913.08,1287.7 h9.84; Top Pin Number "R19" at 1011.5,1130.22 h9.84; Top Pin Number "P19" at 1011.5,1149.9 h9.84; Top Pin Number "P5" at 739.86,1149.9 h9.84; Top Pin Number "N19" at 1011.5,1169.58 h9.84; Top Pin Number "P2" at 680.8,1149.9 h9.84; Top Pin Number "D22" at 1070.56,1346.75 h9.84; Top Pin Number "F18" at 991.82,1307.38 h9.84; Top Pin Number "P1" at 661.11,1149.9 h9.84; Top Pin Number "D23" at 1090.24,1346.75 h9.84; Top Pin Number "G26" at 1149.3,1287.7 h9.84; Top Pin Number "AB27" at 1165.06,992.42 h9.84; Top Pin Number "AG24" at 1106,893.99 h9.84; Top Pin Number "AF26" at 1145.37,913.68 h9.84; Top Pin Number "AG25" at 1125.69,893.99 h9.84; Top Pin Number "AF25" at 1125.69,913.68 h9.84; Top Pin Number "W4" at 720.17,1051.48 h9.84; Top Pin Number "AG3" at 696.54,893.99 h9.84; Top Pin Number "AC10" at 830.41,972.74 h9.84; Top Pin Number "AE1" at 657.17,933.36 h9.84; Top Pin Number "AG9" at 814.66,893.99 h9.84; Top Pin Number "A3" at 700.48,1405.81 h9.84; Top Pin Number "AB9" at 814.66,992.42 h9.84; Top Pin Number "AF2" at 676.86,913.68 h9.84; Top Pin Number "AF9" at 814.66,913.68 h9.84; Top Pin Number "AB10" at 830.41,992.42 h9.84; Top Pin Number "K6" at 759.54,1228.64 h9.84; Top Pin Number "AG11" at 850.09,893.99 h9.84; Top Pin Number "AG20" at 1027.26,893.99 h9.84; Top Pin Number "AB4" at 716.23,992.42 h9.84; Top Pin Number "AF11" at 850.09,913.68 h9.84; Top Pin Number "AF22" at 1066.63,913.68 h9.84; Top Pin Number "AD10" at 830.41,953.05 h9.84; Top Pin Number "AF6" at 755.6,913.68 h9.84; Top Pin Number "AD18" at 987.89,953.05 h9.84; Top Pin Number "AA1" at 657.17,1012.1 h9.84; Top Pin Number "AG10" at 830.41,893.99 h9.84; Top Pin Number "AC6" at 755.6,972.74 h9.84; Top Pin Number "AF19" at 1007.57,913.68 h9.84; Top Pin Number "F2" at 680.8,1307.38 h9.84; Top Pin Number "AF10" at 830.41,913.68 h9.84; Top Pin Number "F10" at 834.34,1307.38 h9.84; Top Pin Number "AD9" at 814.66,953.05 h9.84; Top Pin Number "AF7" at 775.28,913.68 h9.84; Top Pin Number "AB22" at 1066.63,992.42 h9.84; Top Pin Number "AF8" at 794.97,913.68 h9.84; Top Pin Number "AC24" at 1106,972.74 h9.84; Top Pin Number "AC9" at 814.66,972.74 h9.84; Top Pin Number "AG7" at 775.28,893.99 h9.84; Top Pin Number "A25" at 1129.62,1405.81 h9.84; Top Pin Number "AG8" at 794.97,893.99 h9.84; Top Pin Number "E10" at 834.34,1327.06 h9.84; Top Pin Number "AD19" at 1007.57,953.05 h9.84; Top Pin Number "N5" at 739.86,1169.58 h9.84; Top Pin Number "W6" at 759.54,1051.48 h9.84; Top Pin Number "V4" at 720.17,1071.16 h9.84; Top Pin Number "C1" at 661.11,1366.44 h9.84; Top Pin Number "R23" at 1090.24,1130.22 h9.84; Top Pin Number "J2" at 680.8,1248.32 h9.84; Top Pin Number "B1" at 661.11,1386.12 h9.84; Top Pin Number "W26" at 1149.3,1051.48 h9.84; Top Pin Number "A4" at 720.17,1405.81 h9.84; Top Pin Number "V6" at 759.54,1071.16 h9.84; Top Pin Number "A5" at 739.86,1405.81 h9.84; Top Pin Number "R1" at 661.11,1130.22 h9.84; Top Pin Number "B8" at 798.91,1386.12 h9.84; Top Pin Number "AB2" at 676.86,992.42 h9.84; Top Pin Number "A8" at 798.91,1405.81 h9.84; Top Pin Number "R5" at 739.86,1130.22 h9.84; Top Pin Number "E6" at 759.54,1327.06 h9.84; Top Pin Number "AF5" at 735.92,913.68 h9.84; Top Pin Number "W1" at 661.11,1051.48 h9.84; Top Pin Number "AC2" at 676.86,972.74 h9.84; Top Pin Number "R26" at 1149.3,1130.22 h9.84; Top Pin Number "A2" at 680.8,1405.81 h9.84; Top Pin Number "R27" at 1168.99,1130.22 h9.84; Top Pin Number "D1" at 661.11,1346.75 h9.84; Top Pin Number "AG5" at 735.92,893.99 h9.84; Top Pin Number "W2" at 680.8,1051.48 h9.84; Top Pin Number "T27" at 1168.99,1110.53 h9.84; Top Pin Number "J6" at 759.54,1248.32 h9.84; Top Pin Number "T26" at 1149.3,1110.53 h9.84; Top Pin Number "AA2" at 676.86,1012.1 h9.84; Top Pin Number "K1" at 661.11,1228.64 h9.84; Top Pin Number "F4" at 720.17,1307.38 h9.84; Top Pin Number "E4" at 720.17,1327.06 h9.84; Top Pin Number "J1" at 661.11,1248.32 h9.84; Top Pin Number "Y1" at 661.11,1031.79 h9.84; Top Pin Number "AD1" at 657.17,953.05 h9.84; Top Pin Number "D9" at 818.6,1346.75 h9.84; Top Pin Number "B4" at 720.17,1386.12 h9.84; Top Pin Number "V1" at 661.11,1071.16 h9.84; Top Pin Number "B2" at 680.8,1386.12 h9.84; Top Pin Number "AF1" at 657.17,913.68 h9.84; Top Pin Number "L1" at 661.11,1208.96 h9.84; Top Pin Number "W22" at 1070.56,1051.48 h9.84; Top Pin Number "F5" at 739.86,1307.38 h9.84; Top Pin Number "AD2" at 676.86,953.05 h9.84; Top Pin Number "D2" at 680.8,1346.75 h9.84; Top Pin Number "B5" at 739.86,1386.12 h9.84; Top Pin Number "AG26" at 1145.37,893.99 h9.84; Top Pin Number "E1" at 661.11,1327.06 h9.84; Top Pin Number "AF4" at 716.23,913.68 h9.84; Top Pin Number "J4" at 720.17,1248.32 h9.84; Top Pin Number "AE13" at 889.47,933.36 h9.84; Top Pin Number "AE10" at 830.41,933.36 h9.84; Top Pin Number "AE9" at 814.66,933.36 h9.84; Top Pin Number "AE6" at 755.6,933.36 h9.84; Top Pin Number "AE5" at 735.92,933.36 h9.84; Top Pin Number "AE2" at 676.86,933.36 h9.84; Top Pin Number "AC25" at 1125.69,972.74 h9.84; Top Pin Number "AC3" at 696.54,972.74 h9.84; Top Pin Number "AB25" at 1125.69,992.42 h9.84; Top Pin Number "AB3" at 696.54,992.42 h9.84; Top Pin Number "AA21" at 1046.95,1012.1 h9.84; Top Pin Number "AA7" at 775.28,1012.1 h9.84; Top Pin Number "Y2" at 680.8,1031.79 h9.84; Top Pin Number "W25" at 1129.62,1051.48 h9.84; Top Pin Number "W3" at 700.48,1051.48 h9.84; Top Pin Number "V25" at 1129.62,1071.16 h9.84; Top Pin Number "V3" at 700.48,1071.16 h9.84; Top Pin Number "U16" at 952.45,1090.84 h9.84; Top Pin Number "U12" at 873.71,1090.84 h9.84; Top Pin Number "R25" at 1129.62,1130.22 h9.84; Top Pin Number "R16" at 952.45,1130.22 h9.84; Top Pin Number "R12" at 873.71,1130.22 h9.84; Top Pin Number "R3" at 700.48,1130.22 h9.84; Top Pin Number "P25" at 1129.62,1149.9 h9.84; Top Pin Number "P15" at 932.76,1149.9 h9.84; Top Pin Number "P13" at 893.4,1149.9 h9.84; Top Pin Number "P3" at 700.48,1149.9 h9.84; Top Pin Number "N25" at 1129.62,1169.58 h9.84; Top Pin Number "N16" at 952.45,1169.58 h9.84; Top Pin Number "N12" at 873.71,1169.58 h9.84; Top Pin Number "N3" at 700.48,1169.58 h9.84; Top Pin Number "L16" at 952.45,1208.96 h9.84; Top Pin Number "L12" at 873.71,1208.96 h9.84; Top Pin Number "K25" at 1129.62,1228.64 h9.84; Top Pin Number "K3" at 700.48,1228.64 h9.84; Top Pin Number "J25" at 1129.62,1248.32 h9.84; Top Pin Number "J3" at 700.48,1248.32 h9.84; Top Pin Number "H2" at 680.8,1268.01 h9.84; Top Pin Number "G21" at 1050.88,1287.7 h9.84; Top Pin Number "G9" at 818.6,1287.7 h9.84; Top Pin Number "G7" at 779.22,1287.7 h9.84; Top Pin Number "F25" at 1129.62,1307.38 h9.84; Top Pin Number "F3" at 700.48,1307.38 h9.84; Top Pin Number "E25" at 1129.62,1327.06 h9.84; Top Pin Number "E3" at 700.48,1327.06 h9.84; Top Pin Number "C23" at 1090.24,1366.44 h9.84; Top Pin Number "C22" at 1070.56,1366.44 h9.84; Top Pin Number "C19" at 1011.5,1366.44 h9.84; Top Pin Number "C18" at 991.82,1366.44 h9.84; Top Pin Number "C15" at 932.76,1366.44 h9.84; Top Pin Number "C14" at 913.08,1366.44 h9.84; Top Pin Number "C13" at 893.4,1366.44 h9.84; Top Pin Number "C10" at 834.34,1366.44 h9.84; Top Pin Number "C9" at 818.6,1366.44 h9.84; Top Pin Number "C6" at 759.54,1366.44 h9.84; Top Pin Number "C5" at 739.86,1366.44 h9.84; Top Pin Number "C2" at 680.8,1366.44 h9.84; Top Pin Number "B26" at 1149.3,1386.12 h9.84; Top Pin Number "B3" at 700.48,1386.12 h9.84; Top Pin Number "A27" at 1168.99,1405.81 h9.84; Top Pin Number "A1" at 646.94,1397.93 h23.62; Top Pin Number "E27" at 1168.99,1327.06 h9.84; Top Pin Number "E26" at 1149.3,1327.06 h9.84; Top Pin Number "F27" at 1168.99,1307.38 h9.84